# Altium PCB Electronic Load 20251111.PcbDoc (part 1 of 6)
Units mm, origin at the board's own origin, x right, y up, seen from the top; angles counter-clockwise.
Board outline 206 x 70 mm, 6 copper layers (L1, L2, L3, L4, L5, L6), stack 1.609 mm thick; 684 components, 355 nets, 1727 pads, 802 vias.
Unrouted connection lines stored in the file: 10.
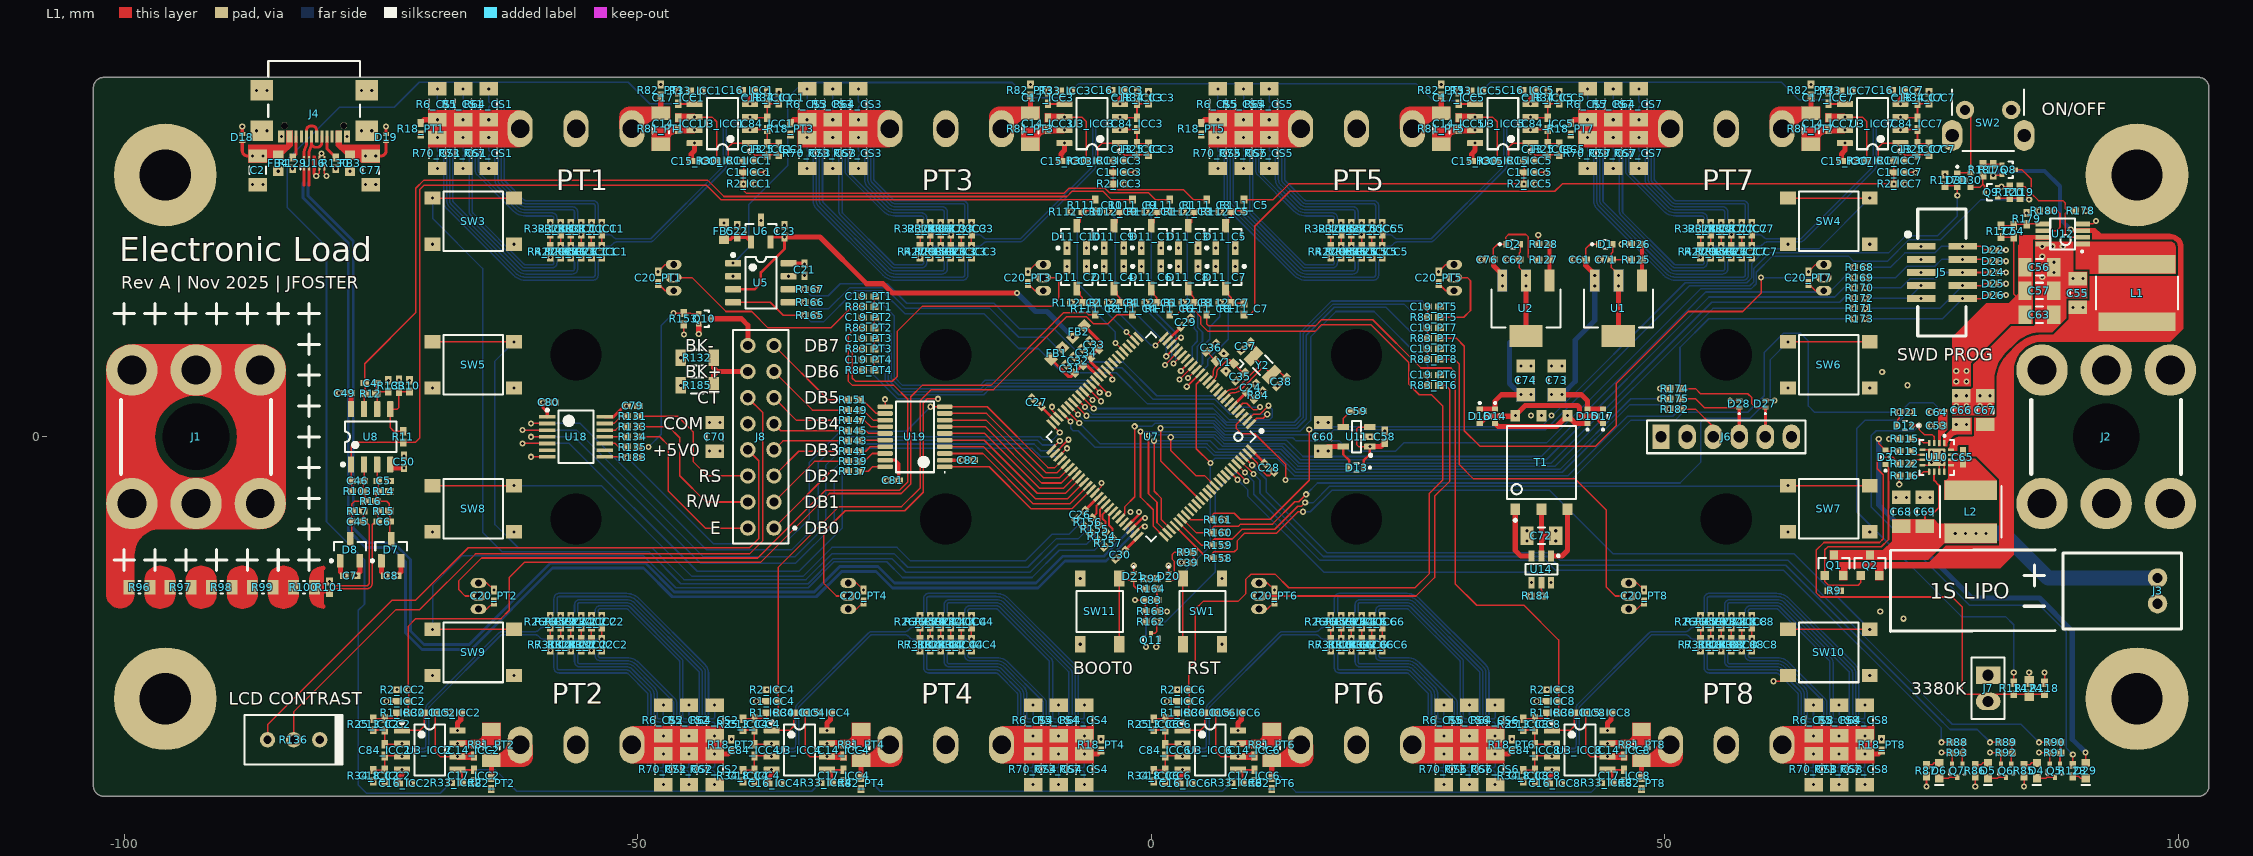
[diagram p0: L1 view]
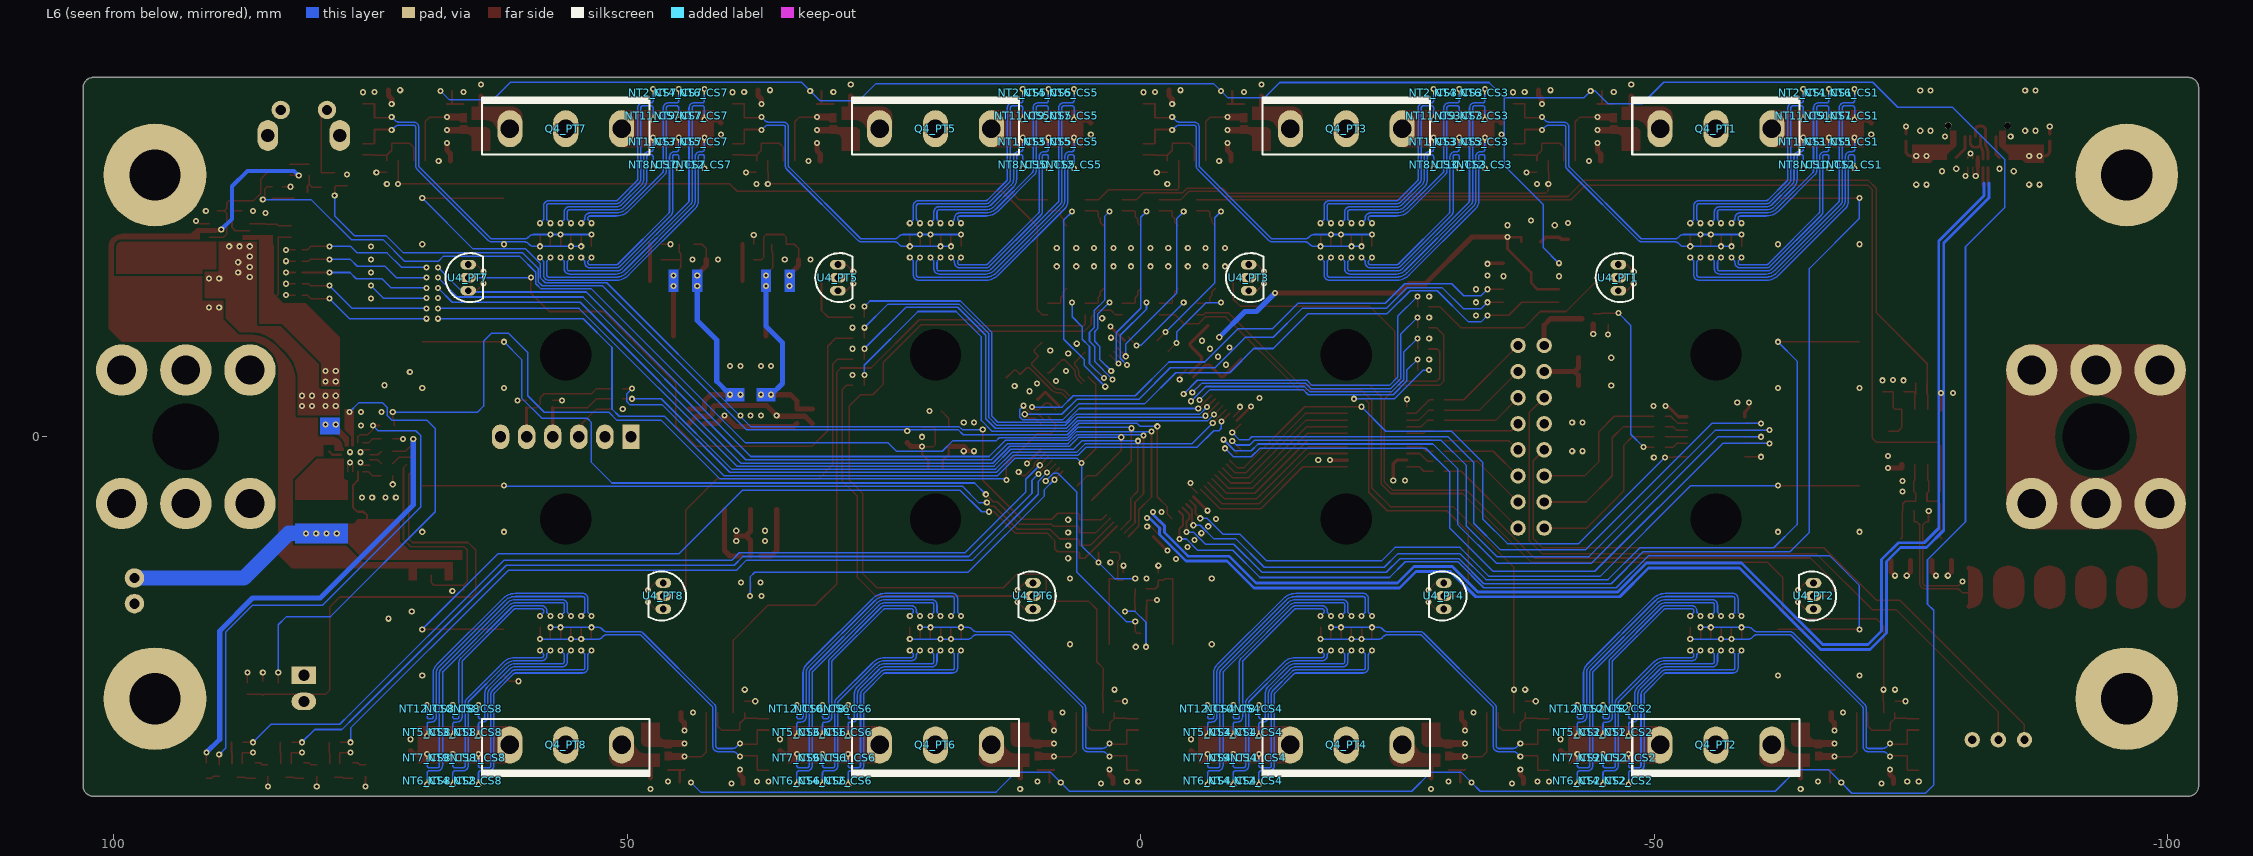
[diagram p1: L6 view, seen from below]
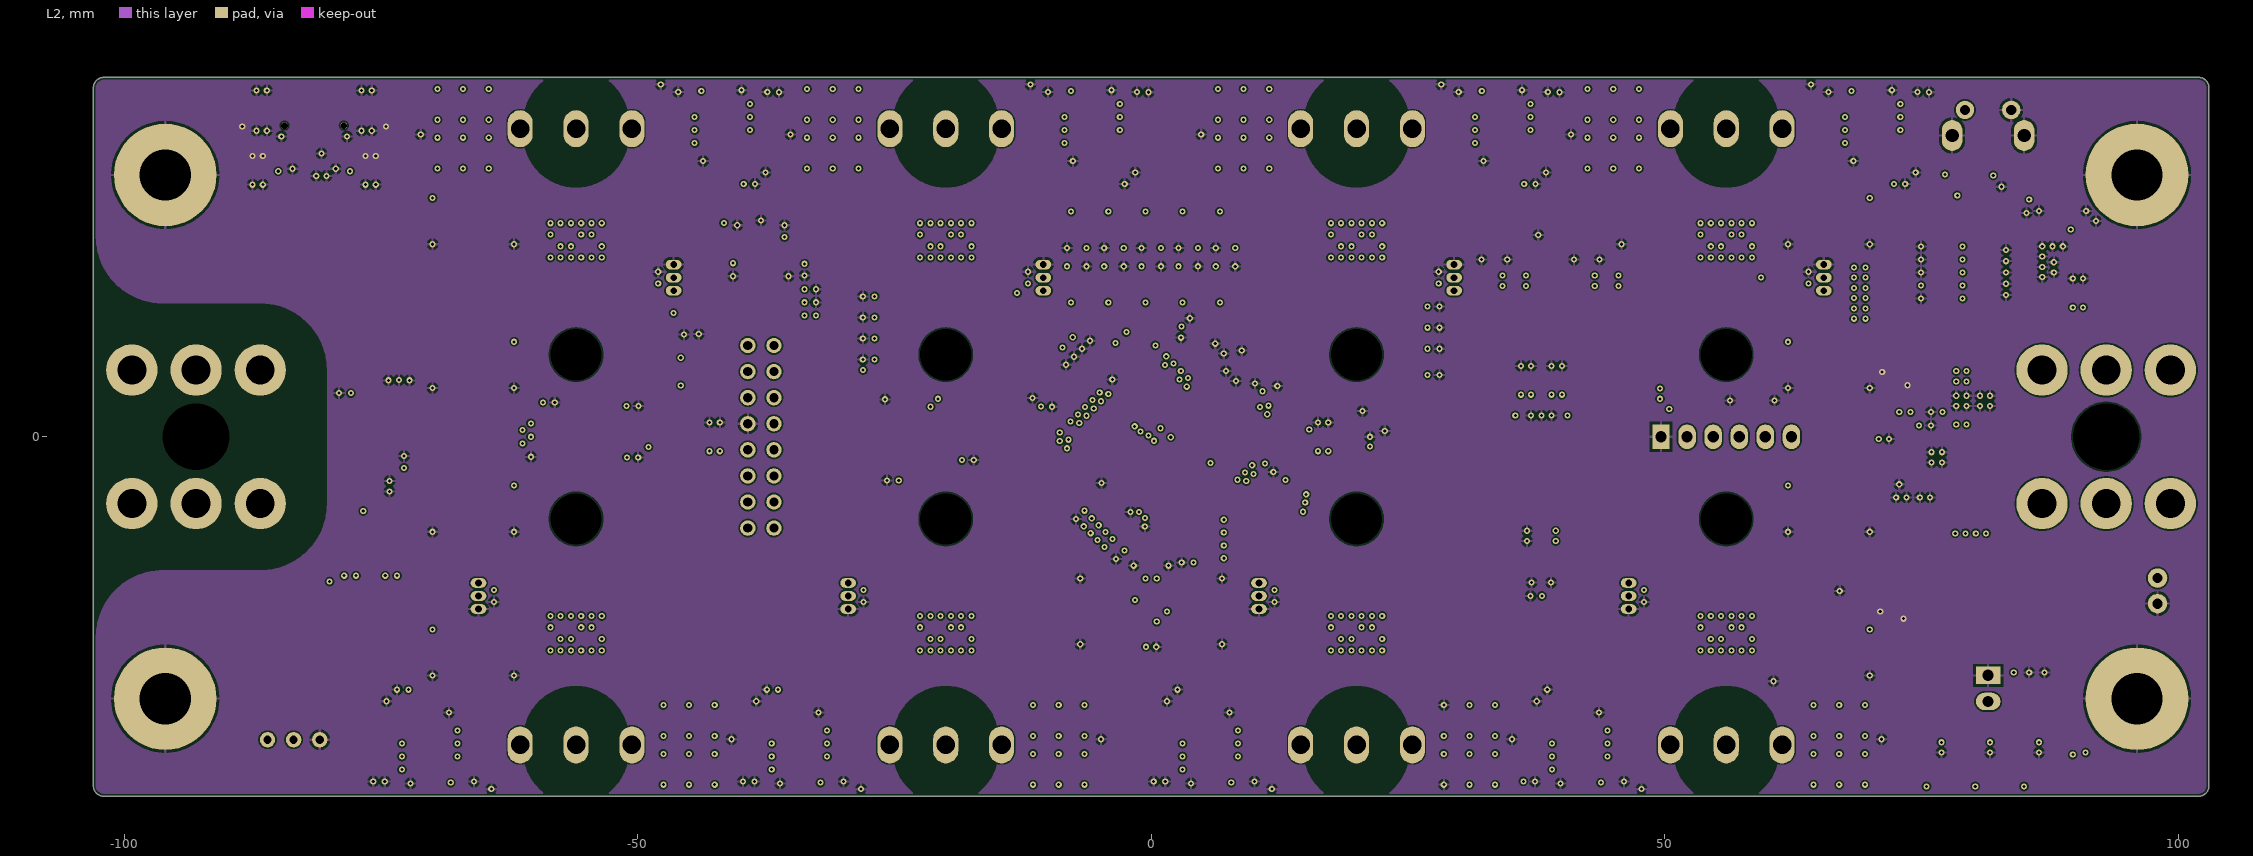
[diagram p2: L2]
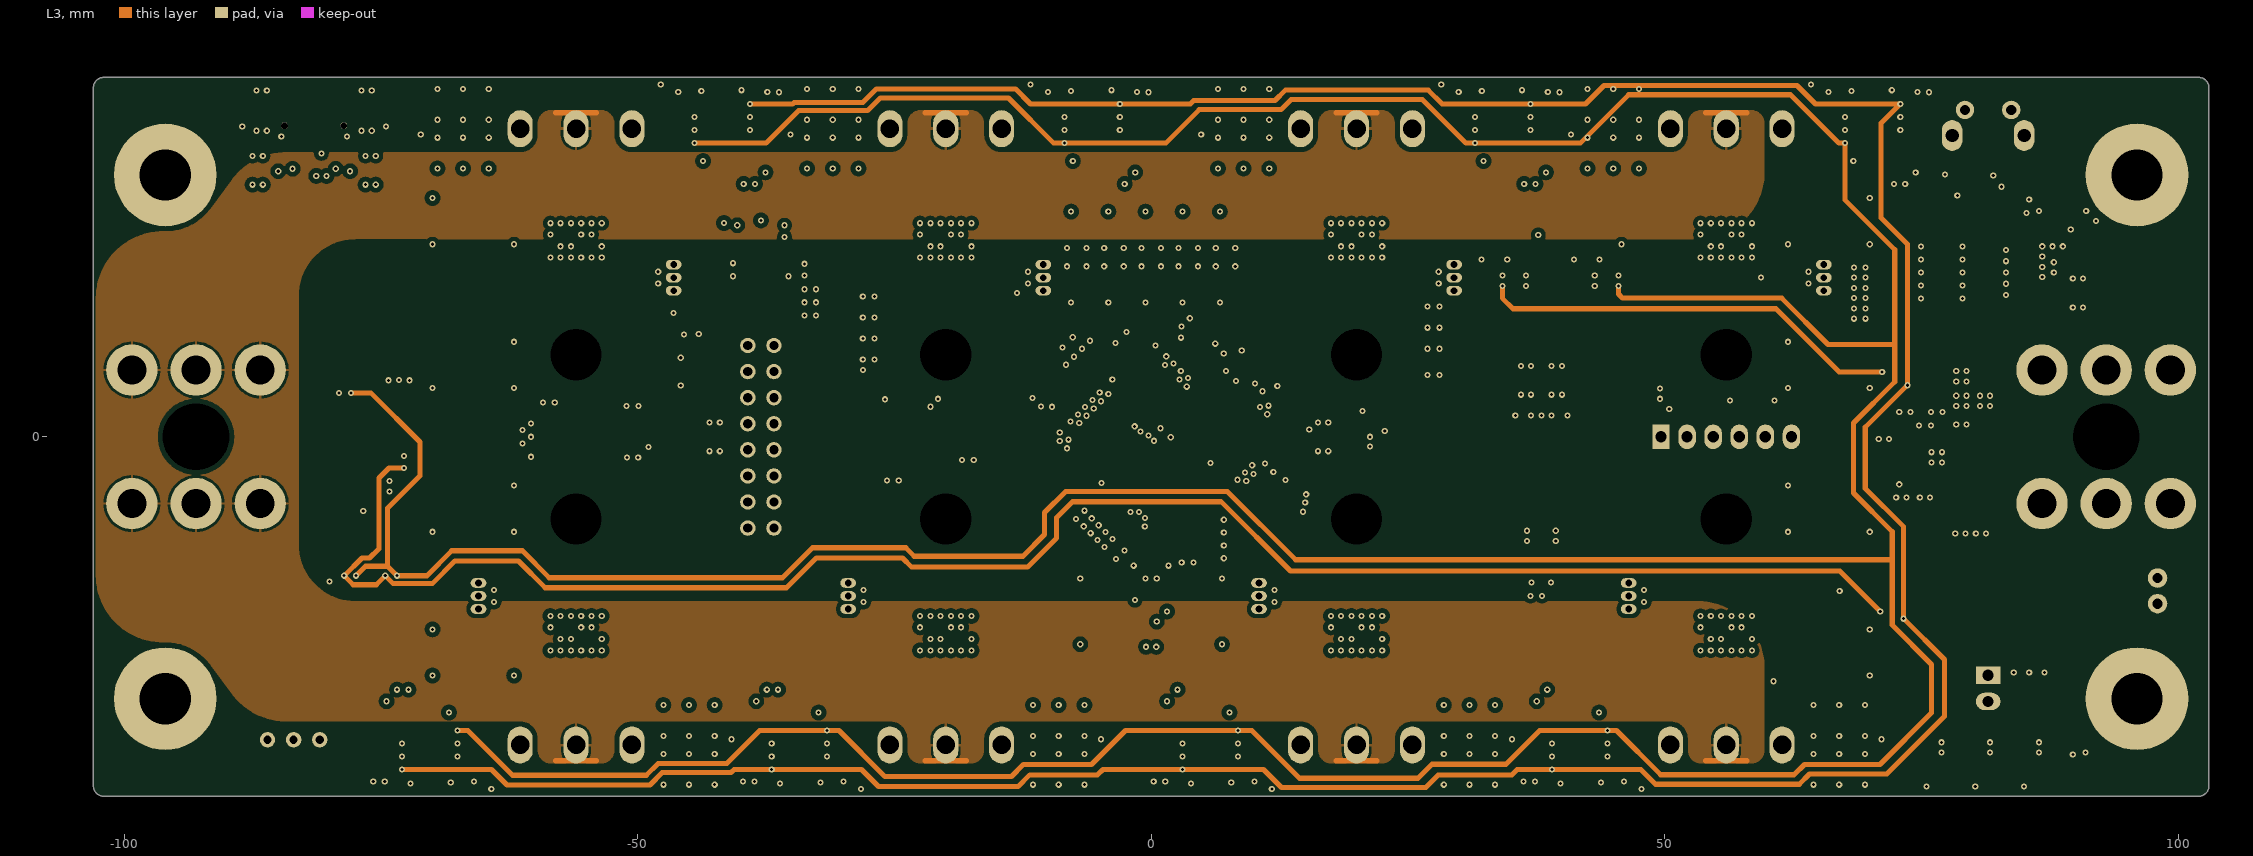
[diagram p3: L3]
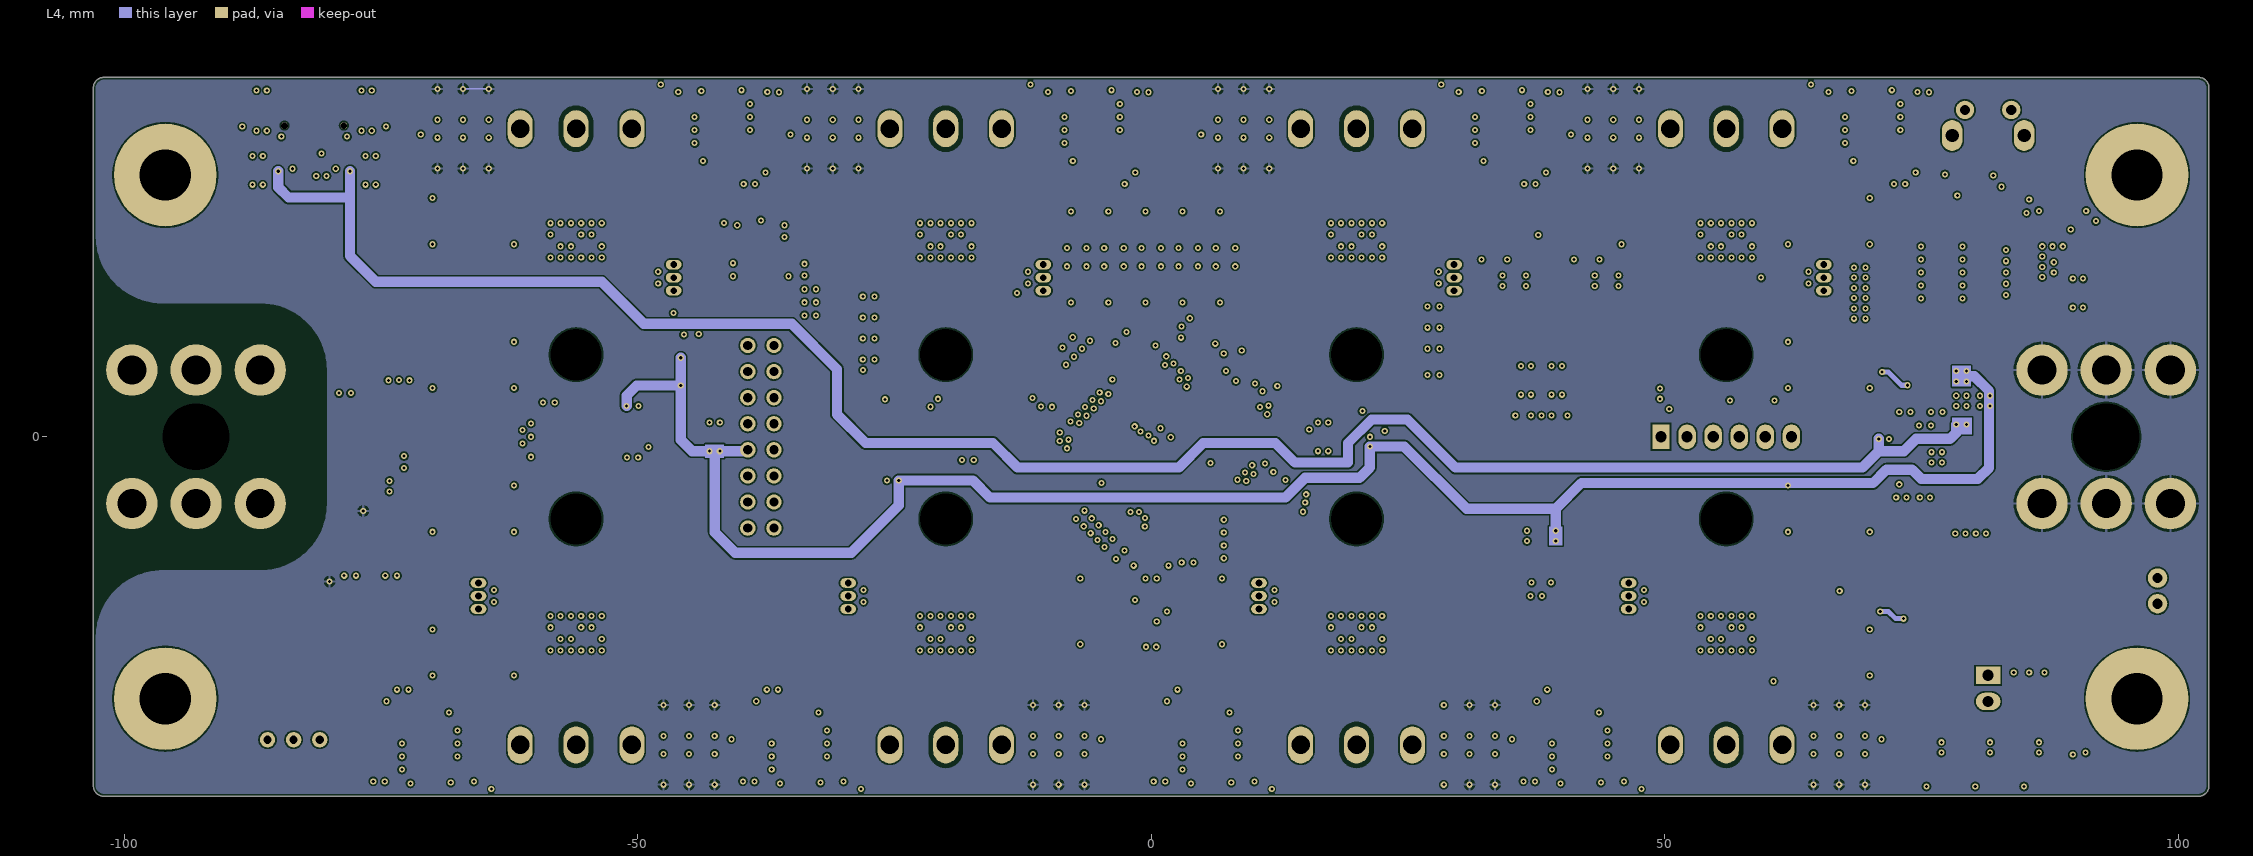
[diagram p4: L4]
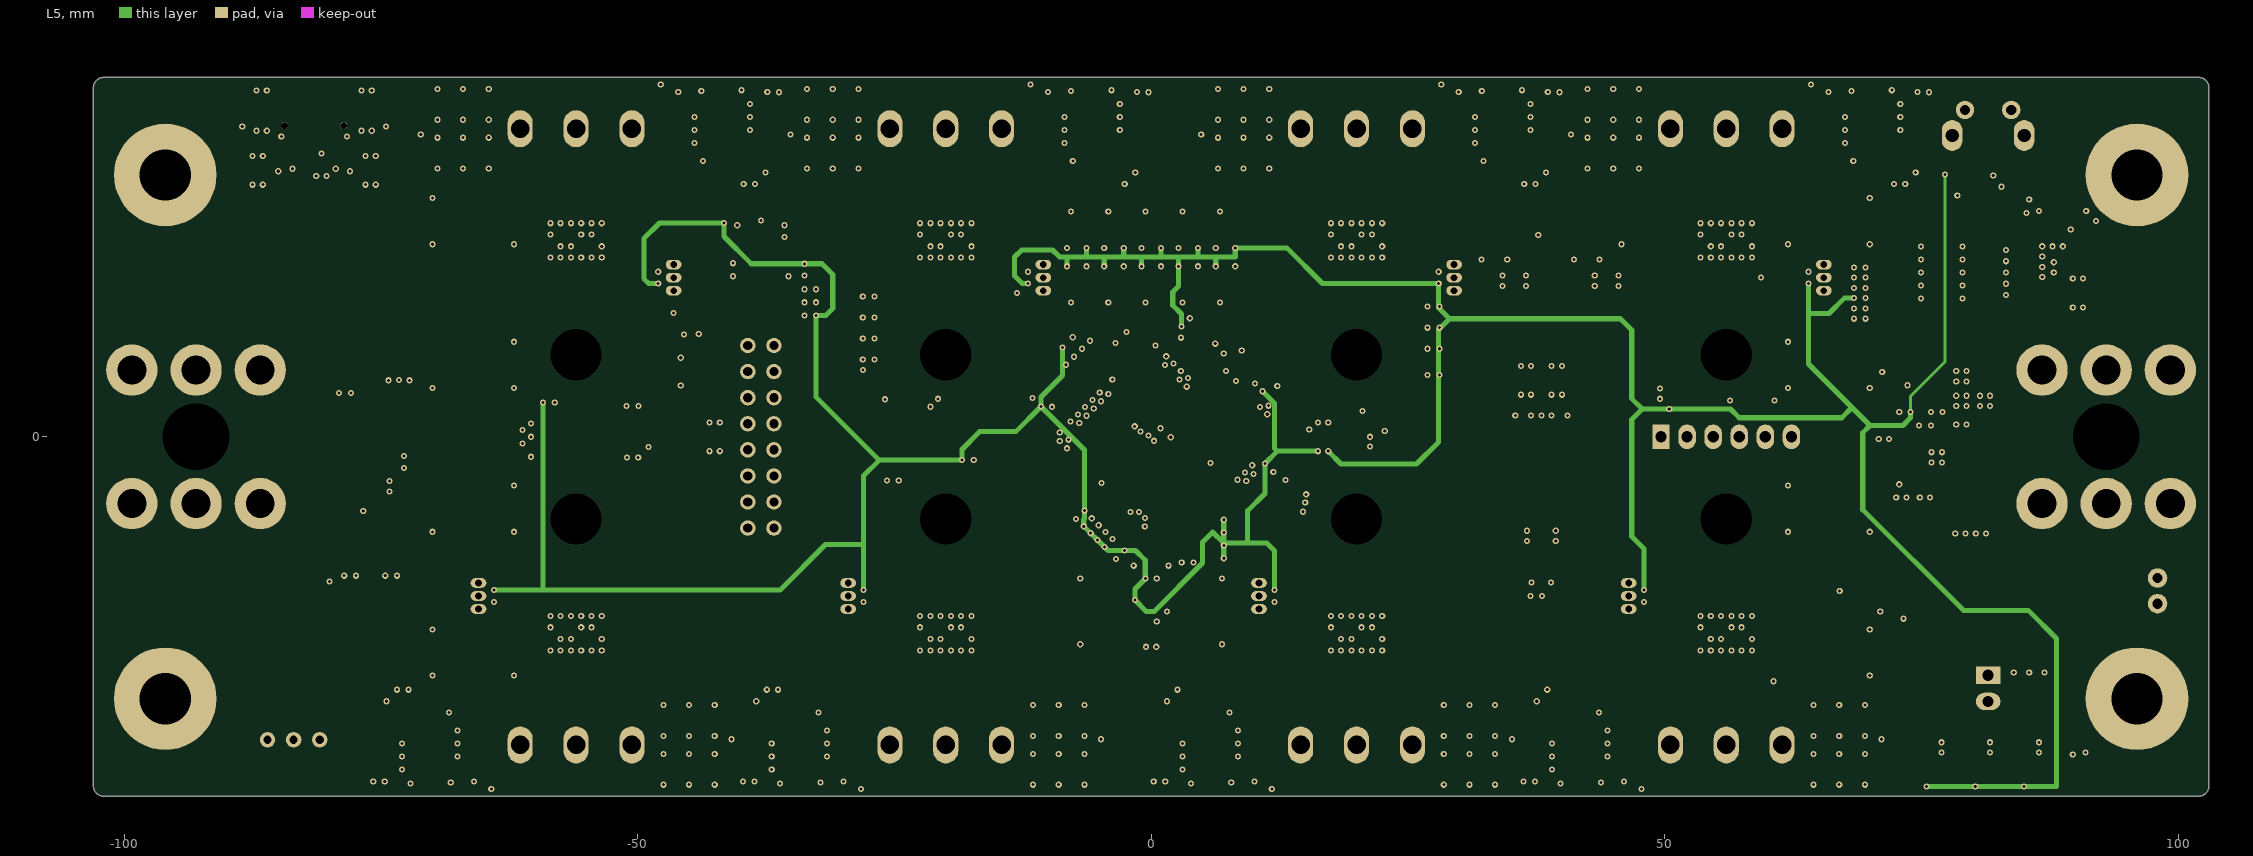
[diagram p5: L5]

## Layer stack, top to bottom
Top Solder: solder mask 0.0102, Solder Resist, Dk 3.5
L1: signal copper 0.035
Dielectric 1: prepreg 0.203, KB-6064, Dk 4.6
L2: signal copper 0.03
Dielectric 2: core 0.25, KB-6164, Dk 4.1
L3: signal copper 0.03
Dielectric 3: prepreg 0.203, KB-6064, Dk 4.6
Dielectric 4: core 0.107, KB-6164, Dk 4.8
Dielectric 5: prepreg 0.203, KB-6064, Dk 4.6
L4: signal copper 0.03
Dielectric 6: core 0.25, KB-6164, Dk 4.1
L5: signal copper 0.03
Dielectric 7: prepreg 0.203, KB-6064, Dk 4.6
L6: signal copper 0.035
Bottom Solder: solder mask 0.0102, Solder Resist, Dk 3.5

## Board outline
-102,-35 cw(c-102,-34) -103,-34 -103,34 cw(c-102,34) -102,35 102,35 cw(c102,34) 103,34 103,-34 cw(c102,-34) 102,-35

## Design rules (kind name [scope] priority, off if disabled: settings)
BoardOutlineClearance [All] p1: gap=0.25 ignorepadtopadclearanceinfootprint=FALSE except(0: Arc-SplitContinuation Track-SplitContinuation SMDPad-SplitContinuation THPad-SplitContinuation Via-SplitContinuation Fill-SplitContinuation Poly-SplitContinuation Region-SplitContinuation Text-SplitContinuation)
Clearance Clearance_HVDC-Mid1 [InNetClass('HVDC') vs InNetClass('MID1')] p1: gap=0.95 ignorepadtopadclearanceinfootprint=FALSE
Clearance Clearance_Mid1-Mid2 [InNetClass('MID1') vs InNetClass('MID2')] p2: gap=0.95 ignorepadtopadclearanceinfootprint=FALSE
Clearance Clearance_Mid2-Mid3 [InNetClass('MID2') vs InNetClass('MID3')] p3: gap=0.95 ignorepadtopadclearanceinfootprint=FALSE
Clearance Clearance_Mid3-Mid4 [InNetClass('MID3') vs InNetClass('MID4')] p4: gap=0.95 ignorepadtopadclearanceinfootprint=FALSE
Clearance Clearance_HVDC-All_Internal [Not ( OnTop Or OnBottom ) And ( InNetClass('HVDC') Or InNetClass('MID1') Or InNetClass('MID2') Or InNetClass('MID3') Or InNetClass('MID4') )] p5: gap=0.45 ignorepadtopadclearanceinfootprint=FALSE
Clearance Clearance_HVDC-All_External [InNetClass('HVDC') Or InNetClass('MID1') Or InNetClass('MID2') Or InNetClass('MID3') Or InNetClass('MID4')] p6: gap=3.95 ignorepadtopadclearanceinfootprint=FALSE
Clearance [All] p7: gap=0.15 ignorepadtopadclearanceinfootprint=FALSE
DiffPairsRouting DiffPairsRouting_D90 [InDifferentialPairClass('D90')] p1: maxlimit=0.254 minlimit=0.2 mostfreqgap=0.254 toplayer_maxgap=0.2 toplayer_prefgap=0.2 toplayer_minwidth=0.276 toplayer_maxwidth=0.276 toplayer_prefwidth=0.276 bottomlayer_maxgap=0.2 bottomlayer_prefgap=0.2 bottomlayer_minwidth=0.276 bottomlayer_maxwidth=0.276 bottomlayer_prefwidth=0.276 impedanceprofiledriven=TRUE impedanceprofileid={C02F0B10-CE22-41F4-871A-2738F675238B} impedanceprofilevalue=90.000000 maxuncoupledlength=12.7
DiffPairsRouting DiffPairsRouting_Default [All] p2: maxlimit=0.254 minlimit=0.2 mostfreqgap=0.254 toplayer_maxgap=0.2 toplayer_prefgap=0.2 toplayer_minwidth=0.276 toplayer_maxwidth=0.276 toplayer_prefwidth=0.276 bottomlayer_maxgap=0.2 bottomlayer_prefgap=0.2 bottomlayer_minwidth=0.276 bottomlayer_maxwidth=0.276 bottomlayer_prefwidth=0.276 impedanceprofiledriven=TRUE impedanceprofileid={C02F0B10-CE22-41F4-871A-2738F675238B} impedanceprofilevalue=90.000000 maxuncoupledlength=12.7
HoleSize [All] p1: absolutevalues=TRUE maxlimit=6 minlimit=0.3 maxpercent=80.000 minpercent=20.000
MinimumSolderMaskSliver [All] p1: minsoldermaskwidth=0.051
PolygonConnect [All] p1: connectstyle=Relief reliefconductorwidth=0.254 reliefentries=4 polygonreliefangle="90 Angle" airgapwidth=0.254
RoomDefinition PT2 [InComponentClass('PT2')] p1: confinementstyle=ConfineIn formatcopy=TRUE lockcomponents=FALSE outline -47.25,-17 -65.75,-17 -65.75,-33.75 -47.25,-33.75
RoomDefinition PT3 [InComponentClass('PT3')] p2: confinementstyle=ConfineIn formatcopy=TRUE lockcomponents=FALSE outline -27.75,19.75 -9.25,19.75 -9.25,36.5 -27.75,36.5
RoomDefinition PT4 [InComponentClass('PT4')] p3: confinementstyle=ConfineIn formatcopy=TRUE lockcomponents=FALSE outline -11.25,-17 -29.75,-17 -29.75,-33.75 -11.25,-33.75
RoomDefinition PT5 [InComponentClass('PT5')] p4: confinementstyle=ConfineIn formatcopy=TRUE lockcomponents=FALSE outline 10,21.25 28.5,21.25 28.5,38 10,38
RoomDefinition PT6 [InComponentClass('PT6')] p5: confinementstyle=ConfineIn formatcopy=TRUE lockcomponents=FALSE outline 28.75,-17 10.25,-17 10.25,-33.75 28.75,-33.75
RoomDefinition PT7 [InComponentClass('PT7')] p6: confinementstyle=ConfineIn formatcopy=TRUE lockcomponents=FALSE outline 45.3,21.75 63.8,21.75 63.8,38.5 45.3,38.5
RoomDefinition PT8 [InComponentClass('PT8')] p7: confinementstyle=ConfineIn formatcopy=TRUE lockcomponents=FALSE outline 64.75,-17 46.25,-17 46.25,-33.75 64.75,-33.75
RoomDefinition PT1 [InComponentClass('PT1')] p8: confinementstyle=ConfineIn formatcopy=TRUE lockcomponents=FALSE outline -64.75,17 -46.25,17 -46.25,33.75 -64.75,33.75
RoomDefinition ICC8 [InComponentClass('ICC8')] p9: confinementstyle=ConfineIn formatcopy=TRUE lockcomponents=FALSE outline 74,-16.95 44.25,-16.95 44.25,-38.95 74,-38.95
RoomDefinition ICC7 [InComponentClass('ICC7')] p10: confinementstyle=ConfineIn formatcopy=TRUE lockcomponents=FALSE outline 37.75,15.95 67.5,15.95 67.5,37.95 37.75,37.95
RoomDefinition ICC6 [InComponentClass('ICC6')] p11: confinementstyle=ConfineIn formatcopy=TRUE lockcomponents=FALSE outline 38.5,-16.95 8.75,-16.95 8.75,-38.95 38.5,-38.95
RoomDefinition ICC5 [InComponentClass('ICC5')] p12: confinementstyle=ConfineIn formatcopy=TRUE lockcomponents=FALSE outline 0.75,15.2 30.5,15.2 30.5,37.2 0.75,37.2
RoomDefinition ICC4 [InComponentClass('ICC4')] p13: confinementstyle=ConfineIn formatcopy=TRUE lockcomponents=FALSE outline -2,-15.95 -31.75,-15.95 -31.75,-37.95 -2,-37.95
RoomDefinition ICC3 [InComponentClass('ICC3')] p14: confinementstyle=ConfineIn formatcopy=TRUE lockcomponents=FALSE outline -37.5,15.95 -7.75,15.95 -7.75,37.95 -37.5,37.95
RoomDefinition ICC2 [InComponentClass('ICC2')] p15: confinementstyle=ConfineIn formatcopy=TRUE lockcomponents=FALSE outline -37.5,-16.45 -67.25,-16.45 -67.25,-38.45 -37.5,-38.45
RoomDefinition ICC1 [InComponentClass('ICC1')] p16: confinementstyle=ConfineIn formatcopy=TRUE lockcomponents=FALSE outline -73.25,15.75 -43.5,15.75 -43.5,37.75 -73.25,37.75
RoomDefinition CS8 [InComponentClass('CS8')] p17: confinementstyle=ConfineIn formatcopy=TRUE lockcomponents=FALSE outline 64.158,-35.267 72.158,-35.267 72.158,-24.767 64.158,-24.767
RoomDefinition CS7 [InComponentClass('CS7')] p18: confinementstyle=ConfineIn formatcopy=TRUE lockcomponents=FALSE outline 39.25,23.375 47.25,23.375 47.25,33.875 39.25,33.875
RoomDefinition CS6 [InComponentClass('CS6')] p19: confinementstyle=ConfineIn formatcopy=TRUE lockcomponents=FALSE outline 30,-33.375 38,-33.375 38,-22.875 30,-22.875
RoomDefinition CS5 [InComponentClass('CS5')] p20: confinementstyle=ConfineIn formatcopy=TRUE lockcomponents=FALSE outline 1.5,23.625 9.5,23.625 9.5,34.125 1.5,34.125
RoomDefinition CS4 [InComponentClass('CS4')] p21: confinementstyle=ConfineIn formatcopy=TRUE lockcomponents=FALSE outline -10.5,-36.625 -2.5,-36.625 -2.5,-26.125 -10.5,-26.125
RoomDefinition CS3 [InComponentClass('CS3')] p22: confinementstyle=ConfineIn formatcopy=TRUE lockcomponents=FALSE outline -35,24.875 -27,24.875 -27,35.375 -35,35.375
RoomDefinition CS2 [InComponentClass('CS2')] p23: confinementstyle=ConfineIn formatcopy=TRUE lockcomponents=FALSE outline -47,-34.375 -39,-34.375 -39,-23.875 -47,-23.875
RoomDefinition CS1 [InComponentClass('CS1')] p24: confinementstyle=ConfineIn formatcopy=TRUE lockcomponents=FALSE outline -71,24.75 -63,24.75 -63,35.25 -71,35.25
RoutingVias [All] p1: holewidth=0.711 width=1.27 viastyle="Through Hole" minholewidth=0.3 minwidth=0.6 maxholewidth=0.711 maxwidth=1.27
SilkToSolderMaskClearance [IsPad] p1: minsilkscreentomaskgap=0.15 clearancetoexposedcopper=TRUE
SolderMaskExpansion SolderMaskExpansion_Via [IsVia] p1: expansion=0.102 istentingtop=TRUE
SolderMaskExpansion [All] p2: expansion=0.102 istentingtop=FALSE
UnRoutedNet [All] p1: checkbadconnections=TRUE
Width [All] p1: maxlimit=3 minlimit=0.15 preferedwidth=0.25
25 further rules are at their usual default settings.

## Classes and differential pairs
net class MID4: NetR99_1
net class MID3: NetR98_1
net class MID2: NetR97_1
net class MID1: NetR96_1
net class HVDC: LOAD+
net class TEMP.T[1..8]: TEMP.T1 TEMP.T2 TEMP.T3 TEMP.T4 TEMP.T5 TEMP.T6 TEMP.T7 TEMP.T8
differential pair class D90: USB.D
channel class "Pass Transistor": PT1 PT2 PT3 PT4 PT5 PT6 PT7 PT8
channel class "IGBT Current Control": ICC1 ICC2 ICC3 ICC4 ICC5 ICC6 ICC7 ICC8
channel class "Current Shunts": CS1 CS2 CS3 CS4 CS5 CS6 CS7 CS8
channel class "Control Loop": CL1 CL2 CL3 CL4 CL5 CL6 CL7 CL8
channel class Clamp: C1 C2 C3 C4 C5 C6 C7 C8 C9 C10
component class VS: C3 C4 C5 C6 C7 C8 C45 C46 C49 C50 D7 D8 R10 R11 R12 R13 R14 R15 R16 R17 R96 R97 R98 R99 R100 R101 R103 U8
component class UI: C2 C70 C77 C79 C80 C81 C82 D18 D19 D22 D23 D24 D25 D26 D27 D28 FB3 FB4 J4 J5 J6 J8 Q10 R129 R130 R131 R132 R133 R134 R135 R136 R137 R139 R141 R143 R145 R147 R149 R151 R153 R154 R155 R156 R157 R158 R159 R160 R161 R168 R169 R170 R171 R172 R173 R174 R175 R182 R183 R185 SW3 SW4 SW5 SW6 SW7 SW8 SW9 SW10 U16 U18 U19
component class PT8: C19_PT8 C20_PT8 Q4_PT8 R18_PT8 R81_PT8 R82_PT8 R83_PT8 U4_PT8
component class PT7: C19_PT7 C20_PT7 Q4_PT7 R18_PT7 R81_PT7 R82_PT7 R83_PT7 U4_PT7
component class PT6: C19_PT6 C20_PT6 Q4_PT6 R18_PT6 R81_PT6 R82_PT6 R83_PT6 U4_PT6
component class PT5: C19_PT5 C20_PT5 Q4_PT5 R18_PT5 R81_PT5 R82_PT5 R83_PT5 U4_PT5
component class PT4: C19_PT4 C20_PT4 Q4_PT4 R18_PT4 R81_PT4 R82_PT4 R83_PT4 U4_PT4
component class PT3: C19_PT3 C20_PT3 Q4_PT3 R18_PT3 R81_PT3 R82_PT3 R83_PT3 U4_PT3
component class PT2: C19_PT2 C20_PT2 Q4_PT2 R18_PT2 R81_PT2 R82_PT2 R83_PT2 U4_PT2
component class PT1: C19_PT1 C20_PT1 Q4_PT1 R18_PT1 R81_PT1 R82_PT1 R83_PT1 U4_PT1
component class PP2: C61 C62 C71 C72 C73 C74 C76 D1 D2 D14 D15 D16 D17 R125 R126 R127 R128 R184 T1 U1 U2 U14
component class PP1: C53 C54 C55 C56 C57 C58 C59 C60 C63 C64 C65 C66 C67 C68 C69 D3 D12 D13 D29 D30 D31 J3 J7 L1 L2 Q1 Q2 Q8 Q9 R9 R113 R114 R115 R116 R117 R118 R119 R120 R121 R122 R123 R124 R176 R177 R178 R179 R180 R181 SW2 U10 U11 U12
component class MCU: C24 C26 C27 C28 C29 C30 C31 C32 C33 C34 C35 C36 C37 C38 C39 C83 D4 D5 D6 D20 D21 FB1 FB2 Q5 Q6 Q7 Q11 R84 R85 R86 R87 R88 R89 R90 R91 R92 R93 R94 R95 R162 R163 R164 SW1 SW11 U7 Y1 Y2
component class ICC8: C1_ICC8 C13_ICC8 C14_ICC8 C15_ICC8 C16_ICC8 C17_ICC8 C18_ICC8 C84_ICC8 R1_ICC8 R2_ICC8 R3_ICC8 R4_ICC8 R7_ICC8 R8_ICC8 R25_ICC8 R26_ICC8 R27_ICC8 R28_ICC8 R29_ICC8 R30_ICC8 R31_ICC8 R32_ICC8 R33_ICC8 R34_ICC8 R35_ICC8 R36_ICC8 U3_ICC8
component class ICC7: C1_ICC7 C13_ICC7 C14_ICC7 C15_ICC7 C16_ICC7 C17_ICC7 C18_ICC7 C84_ICC7 R1_ICC7 R2_ICC7 R3_ICC7 R4_ICC7 R7_ICC7 R8_ICC7 R25_ICC7 R26_ICC7 R27_ICC7 R28_ICC7 R29_ICC7 R30_ICC7 R31_ICC7 R32_ICC7 R33_ICC7 R34_ICC7 R35_ICC7 R36_ICC7 U3_ICC7
component class ICC6: C1_ICC6 C13_ICC6 C14_ICC6 C15_ICC6 C16_ICC6 C17_ICC6 C18_ICC6 C84_ICC6 R1_ICC6 R2_ICC6 R3_ICC6 R4_ICC6 R7_ICC6 R8_ICC6 R25_ICC6 R26_ICC6 R27_ICC6 R28_ICC6 R29_ICC6 R30_ICC6 R31_ICC6 R32_ICC6 R33_ICC6 R34_ICC6 R35_ICC6 R36_ICC6 U3_ICC6
component class ICC5: C1_ICC5 C13_ICC5 C14_ICC5 C15_ICC5 C16_ICC5 C17_ICC5 C18_ICC5 C84_ICC5 R1_ICC5 R2_ICC5 R3_ICC5 R4_ICC5 R7_ICC5 R8_ICC5 R25_ICC5 R26_ICC5 R27_ICC5 R28_ICC5 R29_ICC5 R30_ICC5 R31_ICC5 R32_ICC5 R33_ICC5 R34_ICC5 R35_ICC5 R36_ICC5 U3_ICC5
component class ICC4: C1_ICC4 C13_ICC4 C14_ICC4 C15_ICC4 C16_ICC4 C17_ICC4 C18_ICC4 C84_ICC4 R1_ICC4 R2_ICC4 R3_ICC4 R4_ICC4 R7_ICC4 R8_ICC4 R25_ICC4 R26_ICC4 R27_ICC4 R28_ICC4 R29_ICC4 R30_ICC4 R31_ICC4 R32_ICC4 R33_ICC4 R34_ICC4 R35_ICC4 R36_ICC4 U3_ICC4
component class ICC3: C1_ICC3 C13_ICC3 C14_ICC3 C15_ICC3 C16_ICC3 C17_ICC3 C18_ICC3 C84_ICC3 R1_ICC3 R2_ICC3 R3_ICC3 R4_ICC3 R7_ICC3 R8_ICC3 R25_ICC3 R26_ICC3 R27_ICC3 R28_ICC3 R29_ICC3 R30_ICC3 R31_ICC3 R32_ICC3 R33_ICC3 R34_ICC3 R35_ICC3 R36_ICC3 U3_ICC3
component class ICC2: C1_ICC2 C13_ICC2 C14_ICC2 C15_ICC2 C16_ICC2 C17_ICC2 C18_ICC2 C84_ICC2 R1_ICC2 R2_ICC2 R3_ICC2 R4_ICC2 R7_ICC2 R8_ICC2 R25_ICC2 R26_ICC2 R27_ICC2 R28_ICC2 R29_ICC2 R30_ICC2 R31_ICC2 R32_ICC2 R33_ICC2 R34_ICC2 R35_ICC2 R36_ICC2 U3_ICC2
component class ICC1: C1_ICC1 C13_ICC1 C14_ICC1 C15_ICC1 C16_ICC1 C17_ICC1 C18_ICC1 C84_ICC1 R1_ICC1 R2_ICC1 R3_ICC1 R4_ICC1 R7_ICC1 R8_ICC1 R25_ICC1 R26_ICC1 R27_ICC1 R28_ICC1 R29_ICC1 R30_ICC1 R31_ICC1 R32_ICC1 R33_ICC1 R34_ICC1 R35_ICC1 R36_ICC1 U3_ICC1
component class "Electronic Load Top": J1 J2